# Altium PCB FPGA_NES.PcbDoc (part 1 of 2)
Units mm, origin at the board's own origin, x right, y up, seen from the top; angles counter-clockwise.
Board outline 100 x 84 mm, 2 copper layers (Top Layer, Bottom Layer), stack 1.57 mm thick; 136 components, 141 nets, 570 pads, 347 vias.
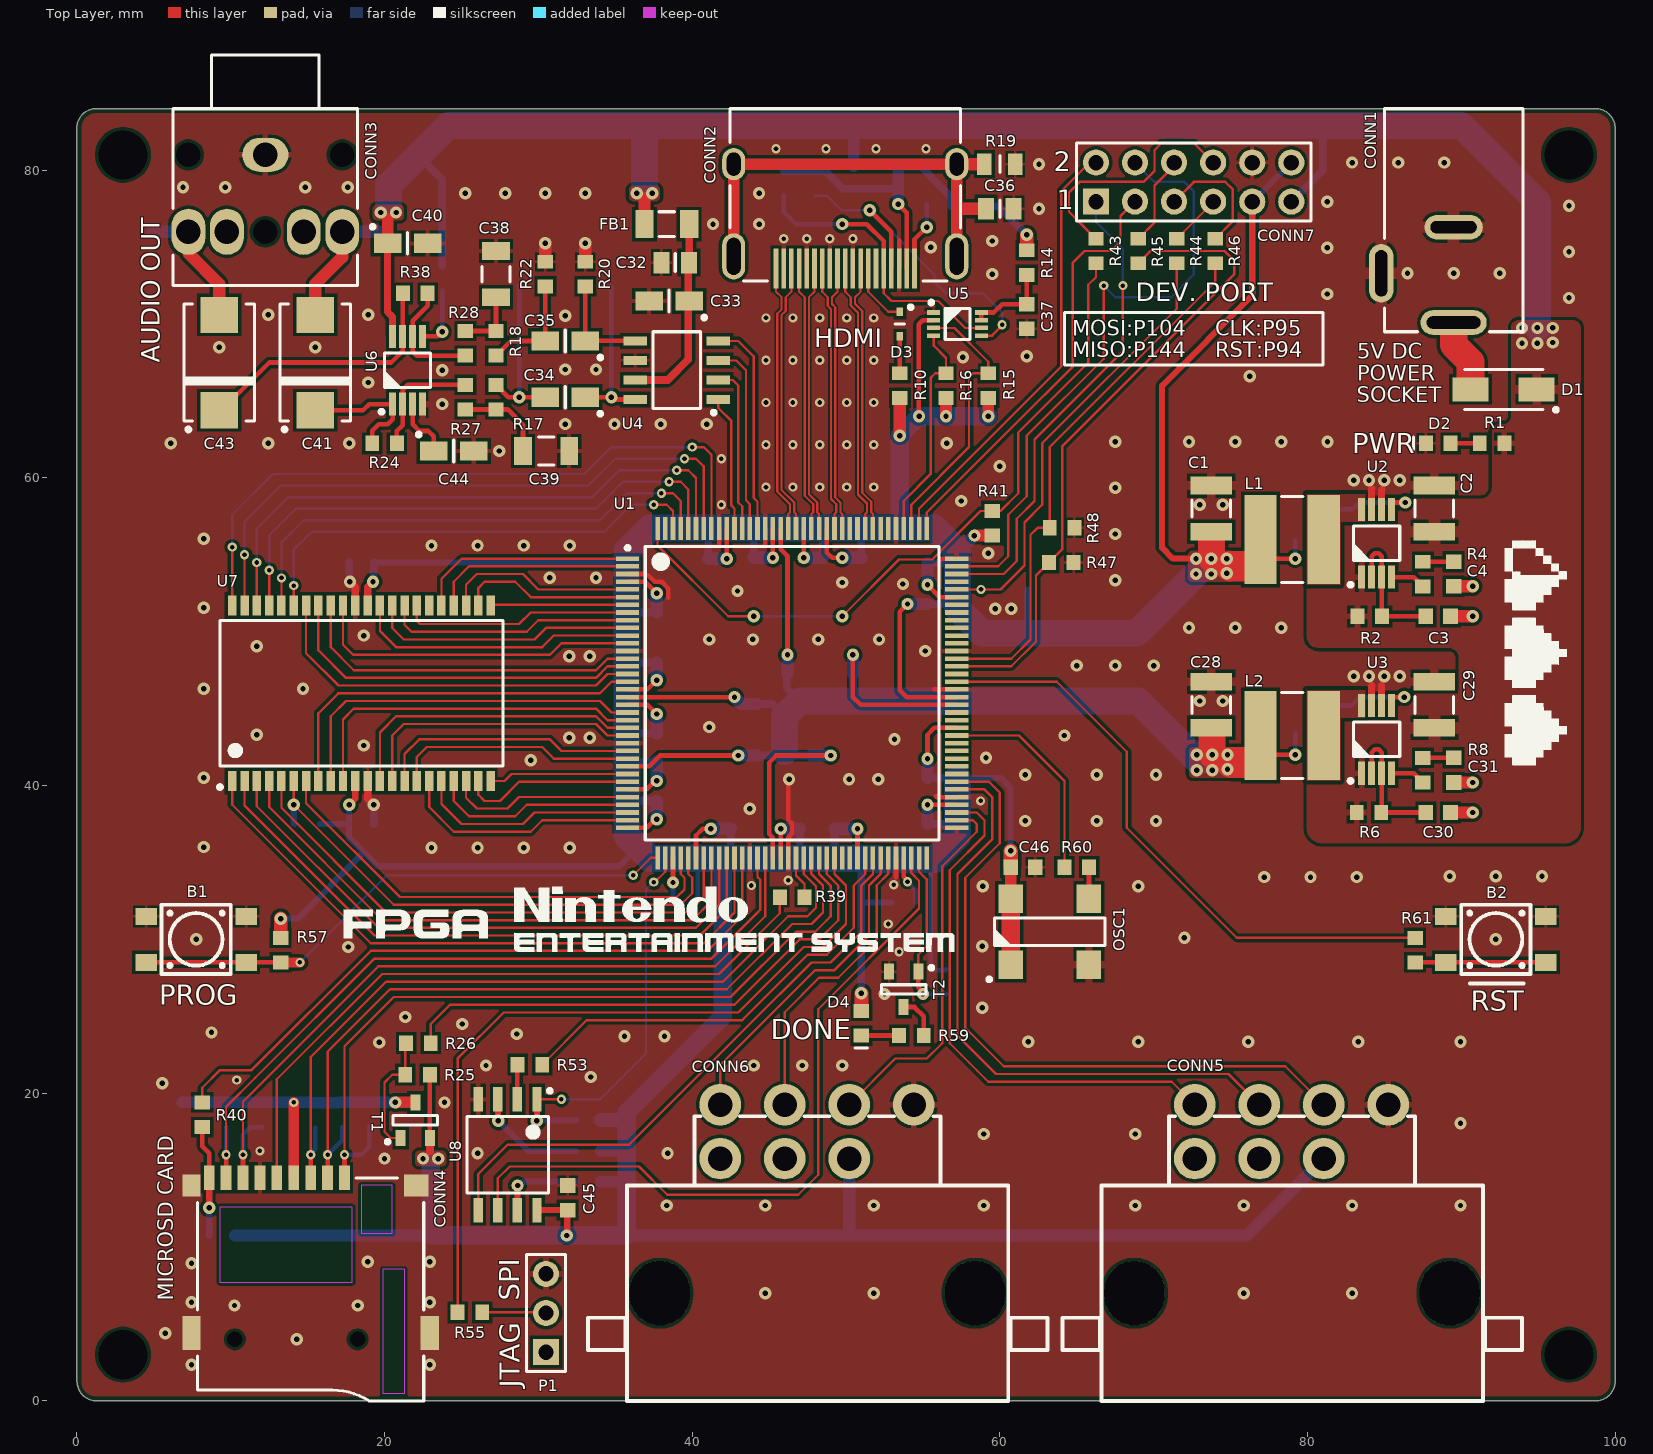
[diagram p0: Top Layer view]
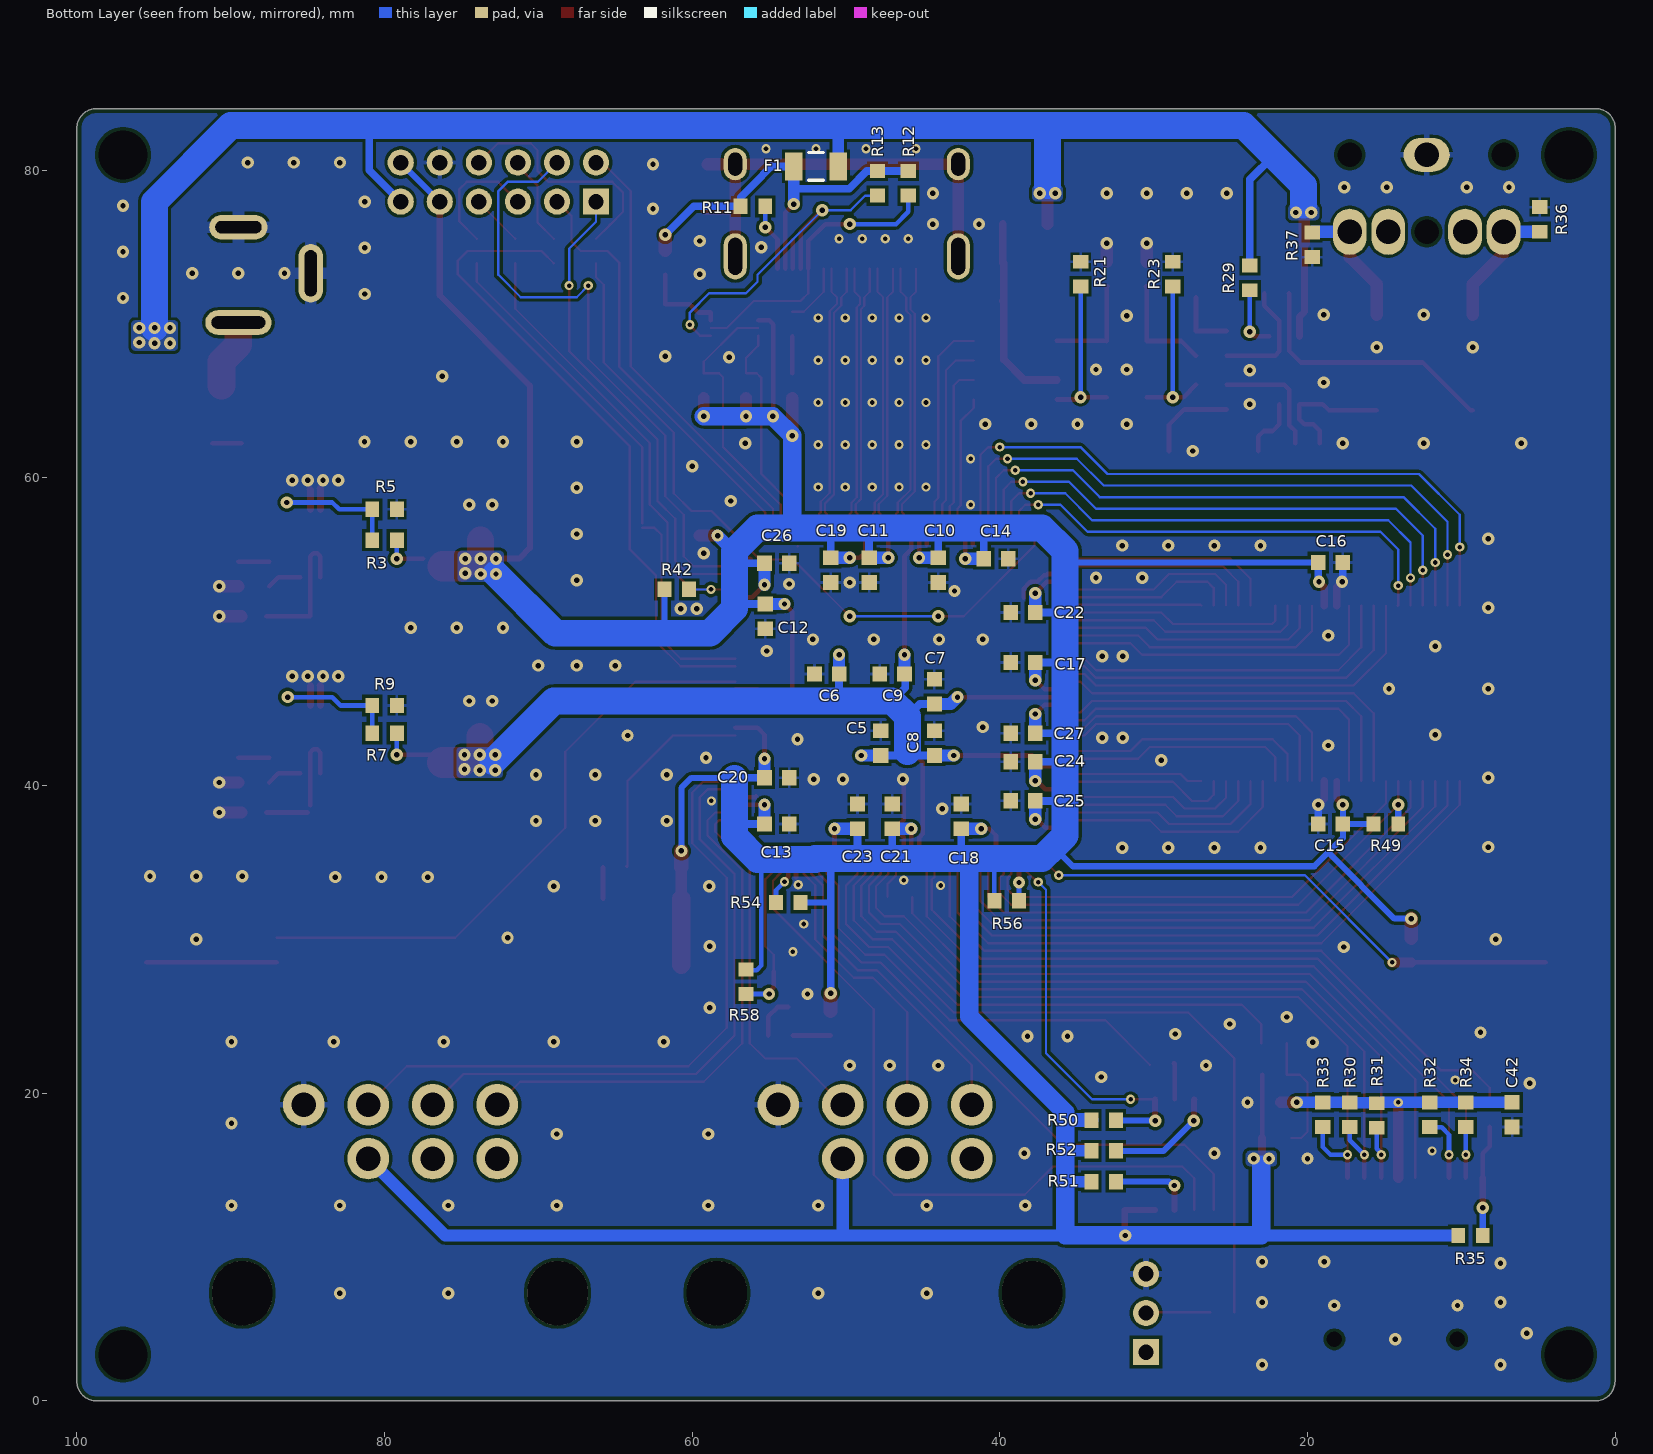
[diagram p1: Bottom Layer view, seen from below]
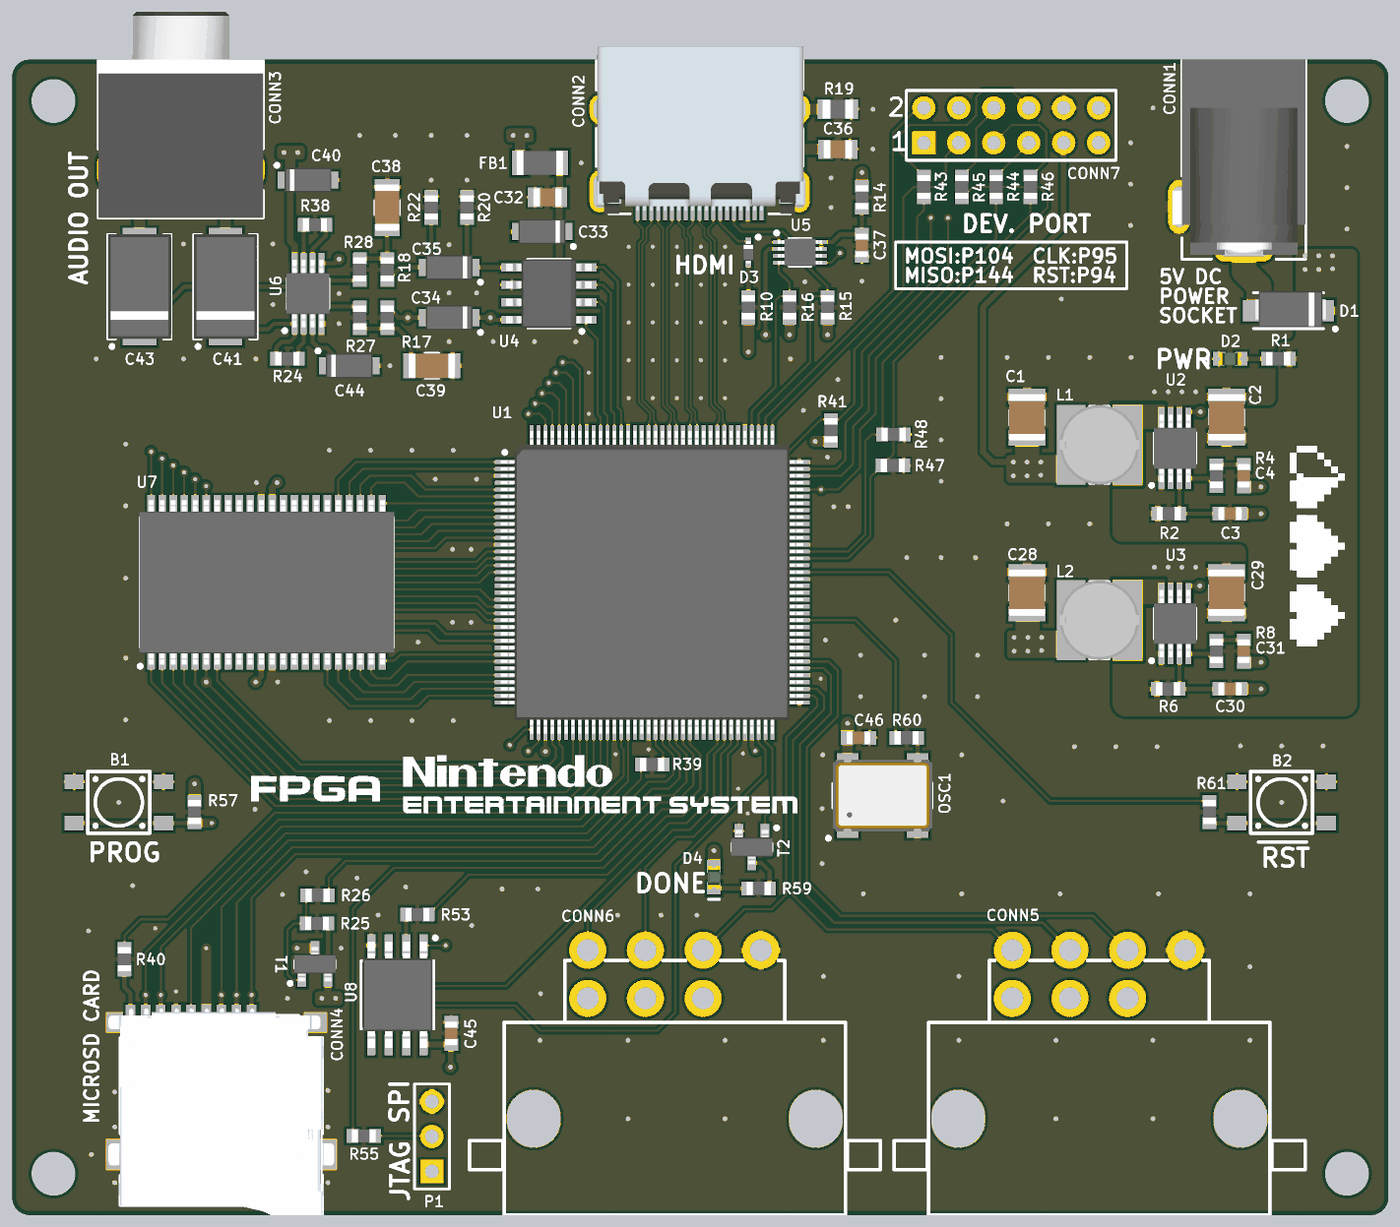
[diagram p3: 3D render of the assembled board from above, using the file's embedded part models]
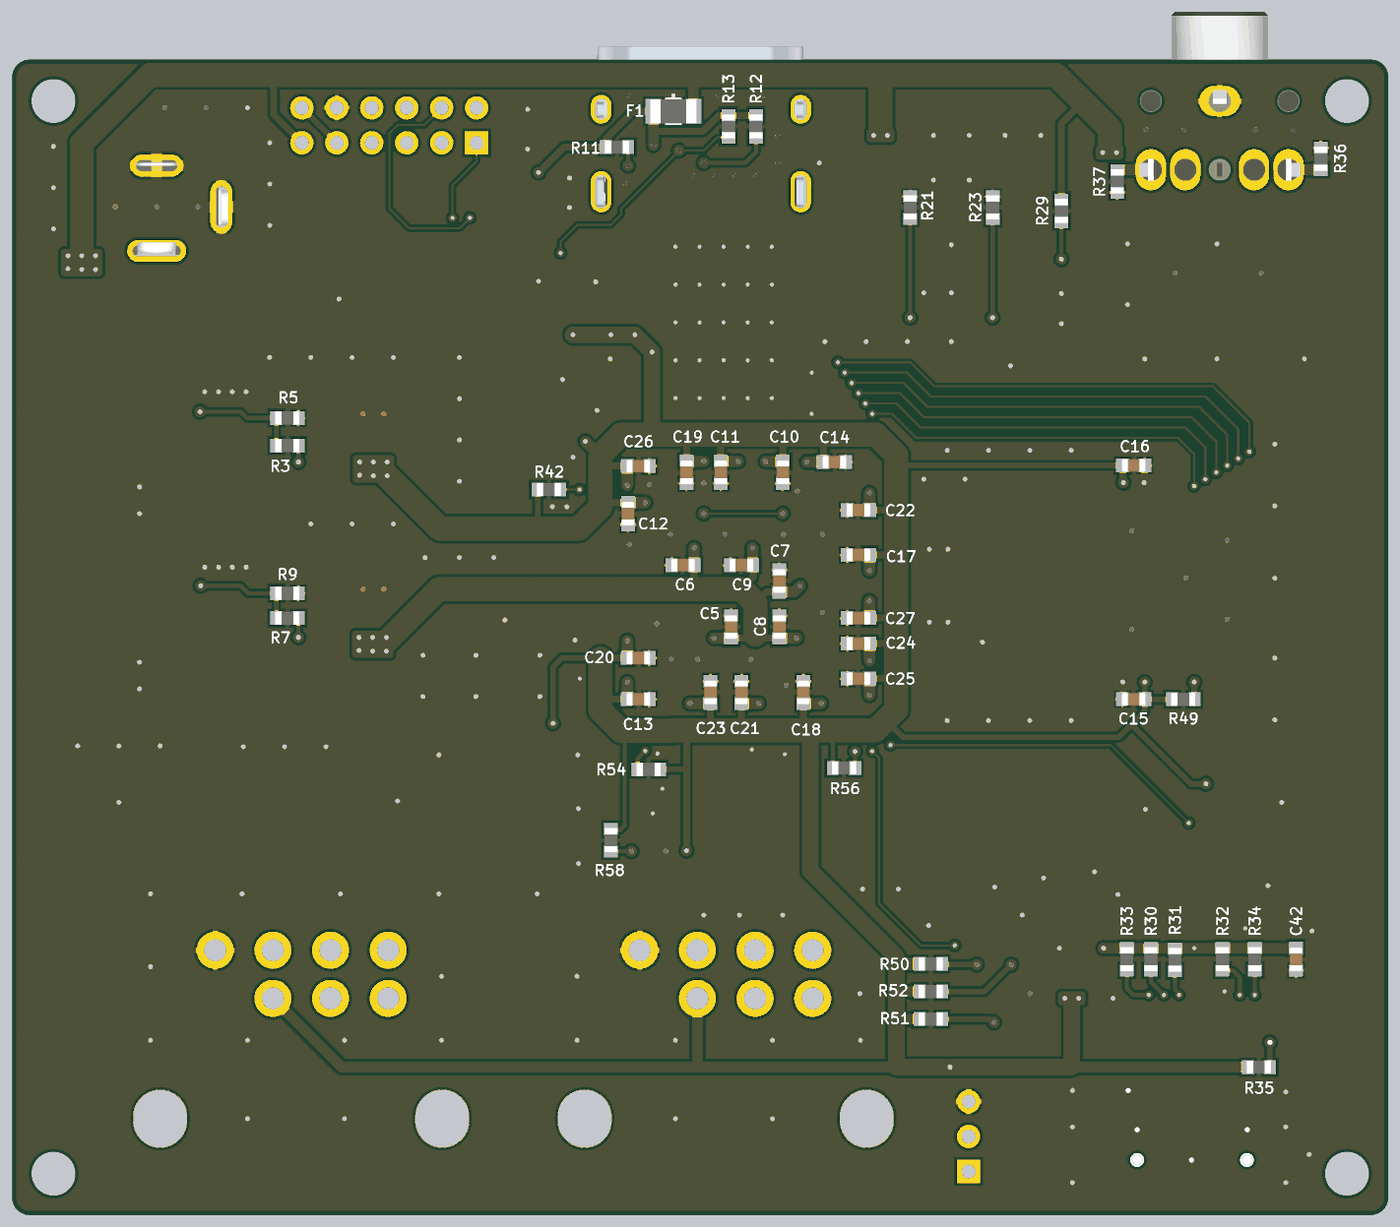
[diagram p4: 3D render of the assembled board from below, using the file's embedded part models]

## Layer stack, top to bottom
Top Solder: solder mask 0.015, Solder Resist, Dk 3.8
Top Layer: signal copper 0.035
Dielectric 1: dielectric 1.5, FR-4, Dk 4.5
Bottom Layer: signal copper 0.035
Bottom Solder: solder mask 0.015, Solder Resist, Dk 3.8

## Board outline
0.005,1.52 0.005,2.978 0,82.25 0,82.75 cw(c1.25,82.75) 1.25,84 98.736,84 cw(c98.736,82.736) 100,82.736 100,1.27 cw(c98.73,1.27) 98.73,0 97.768,0 2.75,0 1.275,0 cw(c1.275,1.27) 0.005,1.27

## Design rules (kind name [scope] priority, off if disabled: settings)
Clearance Clearance_1 [InNamedPolygon('NETL1_1_L01_P011') Or InNamedPolygon('NETL2_1_L01_P014')] p1: gap=0.254 ignorepadtopadclearanceinfootprint=FALSE except(0: Arc-Hole Track-Hole SMDPad-Hole THPad-Hole Via-Hole Fill-Hole Poly-Hole Region-Hole Text-Hole; 0.2: Arc-Fill Arc-Poly Arc-Region Track-Fill Track-Poly Track-Region SMDPad-SMDPad SMDPad-Fill SMDPad-Poly SMDPad-Region)
Clearance HDMI_diffpair [InNamedPolygon('GND_L01_P023')] p2: gap=0.254 ignorepadtopadclearanceinfootprint=FALSE except(0: Arc-Hole Track-Hole SMDPad-Hole THPad-Hole Via-Hole Fill-Hole Poly-Hole Region-Hole Text-Hole; 0.127: Arc-Arc Arc-Track Arc-SMDPad Arc-Fill Arc-Poly Arc-Region Track-Track Track-SMDPad Track-Fill Track-Poly Track-Region)
Clearance [All] p3: gap=0.2 ignorepadtopadclearanceinfootprint=FALSE except(0: Arc-Hole Track-Hole SMDPad-Hole THPad-Hole Via-Hole Fill-Hole Poly-Hole Region-Hole Text-Hole; 0.127: Arc-Arc Arc-Track Track-Track SMDPad-SMDPad; 0.33: Arc-THPad Track-THPad)
DiffPairsRouting [All] p1: maxlimit=0.127 minlimit=0.127 mostfreqgap=0.127 toplayer_minwidth=0.143 toplayer_maxwidth=0.143 toplayer_prefwidth=0.143 bottomlayer_minwidth=0.143 bottomlayer_maxwidth=0.143 bottomlayer_prefwidth=0.143 impedanceprofiledriven=TRUE impedanceprofileid={E8785BA4-A148-4E11-AF89-52EF6E18661D} impedanceprofilevalue=100.000000 maxuncoupledlength=12.7
HoleSize [All] p1: absolutevalues=TRUE maxlimit=6.3 minlimit=0.2 maxpercent=80.000 minpercent=20.000
PolygonConnect PolygonConnect_3 [All vs IsNamedPolygon('NETL2_1_L01_P014')] p1: thpad.connectstyle=Relief thpad.reliefconductorwidth=0.254 thpad.reliefentries=4 thpad.polygonreliefangle="90 Angle" thpad.airgapwidth=0.254 smdpad.connectstyle=Direct smdpad.reliefconductorwidth=0.254 smdpad.reliefentries=4 smdpad.polygonreliefangle="90 Angle" smdpad.airgapwidth=0.254 via.connectstyle=Relief via.reliefconductorwidth=0.254 via.reliefentries=4 via.polygonreliefangle="90 Angle" via.airgapwidth=0.254
PolygonConnect PolygonConnect_2 [All vs IsNamedPolygon('NETL1_1_L01_P011')] p2: thpad.connectstyle=Relief thpad.reliefconductorwidth=0.254 thpad.reliefentries=4 thpad.polygonreliefangle="90 Angle" thpad.airgapwidth=0.254 smdpad.connectstyle=Direct smdpad.reliefconductorwidth=0.254 smdpad.reliefentries=4 smdpad.polygonreliefangle="90 Angle" smdpad.airgapwidth=0.254 via.connectstyle=Relief via.reliefconductorwidth=0.254 via.reliefentries=4 via.polygonreliefangle="90 Angle" via.airgapwidth=0.254
PolygonConnect PolygonConnect_1 [All vs IsNamedPolygon('NETL1_1_L01_P011')] p3: thpad.connectstyle=Relief thpad.reliefconductorwidth=0.254 thpad.reliefentries=4 thpad.polygonreliefangle="90 Angle" thpad.airgapwidth=0.254 smdpad.connectstyle=Direct smdpad.reliefconductorwidth=0.254 smdpad.reliefentries=4 smdpad.polygonreliefangle="90 Angle" smdpad.airgapwidth=0.254 via.connectstyle=Relief via.reliefconductorwidth=0.254 via.reliefentries=4 via.polygonreliefangle="90 Angle" via.airgapwidth=0.254
PolygonConnect [All] p4: thpad.connectstyle=Relief thpad.reliefconductorwidth=0.2 thpad.reliefentries=4 thpad.polygonreliefangle="90 Angle" thpad.airgapwidth=0.15 smdpad.connectstyle=Relief smdpad.reliefconductorwidth=0.2 smdpad.reliefentries=4 smdpad.polygonreliefangle="90 Angle" smdpad.airgapwidth=0.15 via.connectstyle=Direct via.reliefconductorwidth=0.254 via.reliefentries=4 via.polygonreliefangle="90 Angle" via.airgapwidth=0.254
RoutingVias [All] p1: holewidth=0.3 width=0.5 viastyle="Through Hole" minholewidth=0.3 minwidth=0.5 maxholewidth=0.711 maxwidth=1.27
SilkToSilkClearance [All] p1: silktosilkclearance=0.2
SilkToSolderMaskClearance [IsPad] p1: minsilkscreentomaskgap=0.15 clearancetoexposedcopper=TRUE
SolderMaskExpansion SolderMaskExpansion_ViaTented [IsVia] p1: expansion=0.102 istentingtop=TRUE
SolderMaskExpansion [All] p2: expansion=0.05 istentingtop=FALSE
UnRoutedNet [All] p1: checkbadconnections=TRUE
Width [All] p1: maxlimit=5 minlimit=0.127 preferedwidth=0.15 minimp=50.000000 maximp=50.000000 favimp=50.000000
25 further rules are at their usual default settings.

## Classes and differential pairs
component class Connectors-DAC-Controllers: C32 C33 C34 C35 C38 C39 C40 C41 C43 C44 CONN3 CONN5 CONN6 FB1 R17 R18 R20 R21 R22 R23 R24 R27 R28 R29 R36 R37 R38 U4 U6
component class FPGA-OSC-JTAG: B1 B2 C46 CONN7 D4 OSC1 R41 R42 R43 R44 R45 R46 R47 R48 R57 R58 R59 R60 R61 T2
component class FPGA-IO-BANKS: P1 R54 R55 R56 U1
net class MEM_D[15..0]: MEM_D0 MEM_D1 MEM_D2 MEM_D3 MEM_D4 MEM_D5 MEM_D6 MEM_D7 MEM_D8 MEM_D9 MEM_D10 MEM_D11 MEM_D12 MEM_D13 MEM_D14 MEM_D15
net class MEM_A[17..0]: MEM_A0 MEM_A1 MEM_A2 MEM_A3 MEM_A4 MEM_A5 MEM_A6 MEM_A7 MEM_A8 MEM_A9 MEM_A10 MEM_A11 MEM_A12 MEM_A13 MEM_A14 MEM_A15 MEM_A16 MEM_A17
differential pair HDMI_D2: +HDMI_D2_P -HDMI_D2_N
differential pair HDMI_D1: +HDMI_D1_P -HDMI_D1_N
differential pair HDMI_D0: +HDMI_D0_P -HDMI_D0_N
differential pair HDMI_CLK: +HDMI_CLK_P -HDMI_CLK_N

## Components (designator, comment, footprint, x,y, rotation, side; value= is the part's Value field where it differs from the comment)
B1 "PROG" SMD_Button 7.75,30 r180 top
B2 "RST" SMD_Button 92.25,30 r180 top
C1 "10uF" CAP_SMD1210 73.75,58 r270 top
C2 "10uF" CAP_SMD1210 88.25,58 r270 top
C3 "100nF" CAP_SMD0603 88.5,51 r180 top
C4 "1nF" CAP_SMD0603 89.5,53.75 r90 top
C5 "4.7uF" CAP_SMD0603 47.75,42.75 r270 bottom
C6 "4.7uF" CAP_SMD0603 51.25,47.25 r180 bottom
C7 "4.7uF" CAP_SMD0603 44.25,46.1 r270 bottom
C8 "470nF" CAP_SMD0603 44.25,42.75 r270 bottom
C9 "470nF" CAP_SMD0603 47,47.25 r180 bottom
C10 "4.7uF" CAP_SMD0603 44,54 r90 bottom
C11 "4.7uF" CAP_SMD0603 48.5,54 r90 bottom
C12 "4.7uF" CAP_SMD0603 55.25,51 r90 bottom
C13 "470nF" CAP_SMD0603 54.5,37.5 r0 bottom
C14 "470nF" CAP_SMD0603 40.25,54.75 r0 bottom
C15 "100nF" CAP_SMD0603 18.5,37.5 r180 bottom
C16 "100nF" CAP_SMD0603 18.5,54.5 r0 bottom
C17 "4.7uF" CAP_SMD0603 38.5,48 r180 bottom
C18 "470nF" CAP_SMD0603 42.5,38 r270 bottom
C19 "470nF" CAP_SMD0603 51,54 r90 bottom
C20 "4.7uF" CAP_SMD0603 54.5,40.5 r0 bottom
C21 "470nF" CAP_SMD0603 47,38 r270 bottom
C22 "470nF" CAP_SMD0603 38.5,51.25 r180 bottom
C23 "4.7uF" CAP_SMD0603 49.25,38 r270 bottom
C24 "470nF" CAP_SMD0603 38.5,41.55 r180 bottom
C25 "4.7uF" CAP_SMD0603 38.5,39 r180 bottom
C26 "470nF" CAP_SMD0603 54.5,54.45 r0 bottom
C27 "470nF" CAP_SMD0603 38.5,43.4 r180 bottom
C28 "10uF" CAP_SMD1210 73.75,45.25 r270 top
C29 "10uF" CAP_SMD1210 88.25,45.25 r270 top
C30 "100nF" CAP_SMD0603 88.5,38.25 r180 top
C31 "1nF" CAP_SMD0603 89.5,41 r90 top
C32 "0.1uF" CAP_SMD0805 38.9,74 r0 top
C33 "1uF" CAPMP3216X180N 38.5,71.5 r180 top
C34 "3.3uF" CAPMP3216X180N 31.75,65.25 r180 top
C35 "3.3uF" CAPMP3216X180N 31.75,68.9 r180 top
C36 "1nF" CAP_SMD0805 60,77.5 r180 top
C37 "100nF" CAP_SMD0603 61.75,70.5 r90 top
C38 "?F" CAP_SMD1206 27.25,73.25 r270 top
C39 "?F" CAP_SMD1206 30.5,61.75 r180 top
C40 "1uF" CAPMP3216X180N 21.5,75.25 r0 top
C41 "100uF" CAPMP7343X310N 15.5,67.5 r90 top
C42 "100nF" CAP_SMD0603 6.7,18.6 r270 bottom
C43 "100uF" CAPMP7343X310N 9.25,67.5 r90 top
C44 "1uF" CAPMP3216X180N 24.5,61.75 r0 top
C45 "100nF" CAP_SMD0603 31.9,13.2 r270 top
C46 "100nF" CAP_SMD0603 61.5,34.7 r180 top
CONN1 "DC_PWR" DC_PWR_CONN 89.5,84 r180 top
CONN2 "685119134923" 685119134923 49.95,84 r180 top
CONN3 "SJ1-3553NG" SJ1-3553NG 12.25,81 r0 top
CONN4 "TFP09-2-12B" TFP09-2-12B 15.2,0 r0 top
CONN5 "NES CONTROLLER PORT" "NES controller port" 79,14.25 r0 top
CONN6 "NES CONTROLLER PORT" "NES controller port" 48.15,14.25 r0 top
CONN7 "DevPort" HDR2X6 66.25,77.96 r0 top
D1 "SSL14A" DIOM5226X230N 92.75,65.75 r180 top
D2 "GREEN" LED_G_SMD0603 88.5,62.25 r180 top
D3 "SD103AWX" SODFL1608X70N 53.5,70 r270 top
D4 "GREEN" LED_G_SMD0603 51,24.55 r270 top
F1 "100mA" RES_SMD1206 51.95,80.25 r180 bottom
FB1 "600@100MHz" IND_SMD1206 38.35,76.5 r0 top
L1 "2.2 uH" SDR0604 79,56 r180 top
L2 "2.2 uH" SDR0604 79,43.25 r180 top
OSC1 "50 MHz" OSCSC508P500X700X200-4N 63.25,30.5 r90 top
P1 "MODE" HDR1X3 30.5,3.17 r90 top
R1 "1.5k" RES_SMD0603 92,62.25 r0 top
R2 "10" RES_SMD0603 84.05,51 r0 top
R3 "47k" RES_SMD0603 80,55.95 r180 bottom
R4 "10k" RES_SMD0603 87.5,53.75 r270 top
R5 "15k" RES_SMD0603 80,57.95 r0 bottom
R6 "10" RES_SMD0603 84,38.25 r0 top
R7 "10k" RES_SMD0603 80,43.4 r180 bottom
R8 "10k" RES_SMD0603 87.5,41 r270 top
R9 "20k" RES_SMD0603 80,45.204 r0 bottom
R10 "27k" RES_SMD0603 53.5,66 r90 top
R11 "1k" RES_SMD0603 56.05,77.65 r180 bottom
R12 "1.5k" RES_SMD0603 45.95,79.15 r90 bottom
R13 "1.5k" RES_SMD0603 47.95,79.15 r90 bottom
R14 "200k" RES_SMD0603 61.75,74 r90 top
R15 "1k" RES_SMD0603 59.25,66 r270 top